# Altium PCB 28Pins_Project_V1I1_Pcb.PcbDoc (part 1 of 2) (continued)
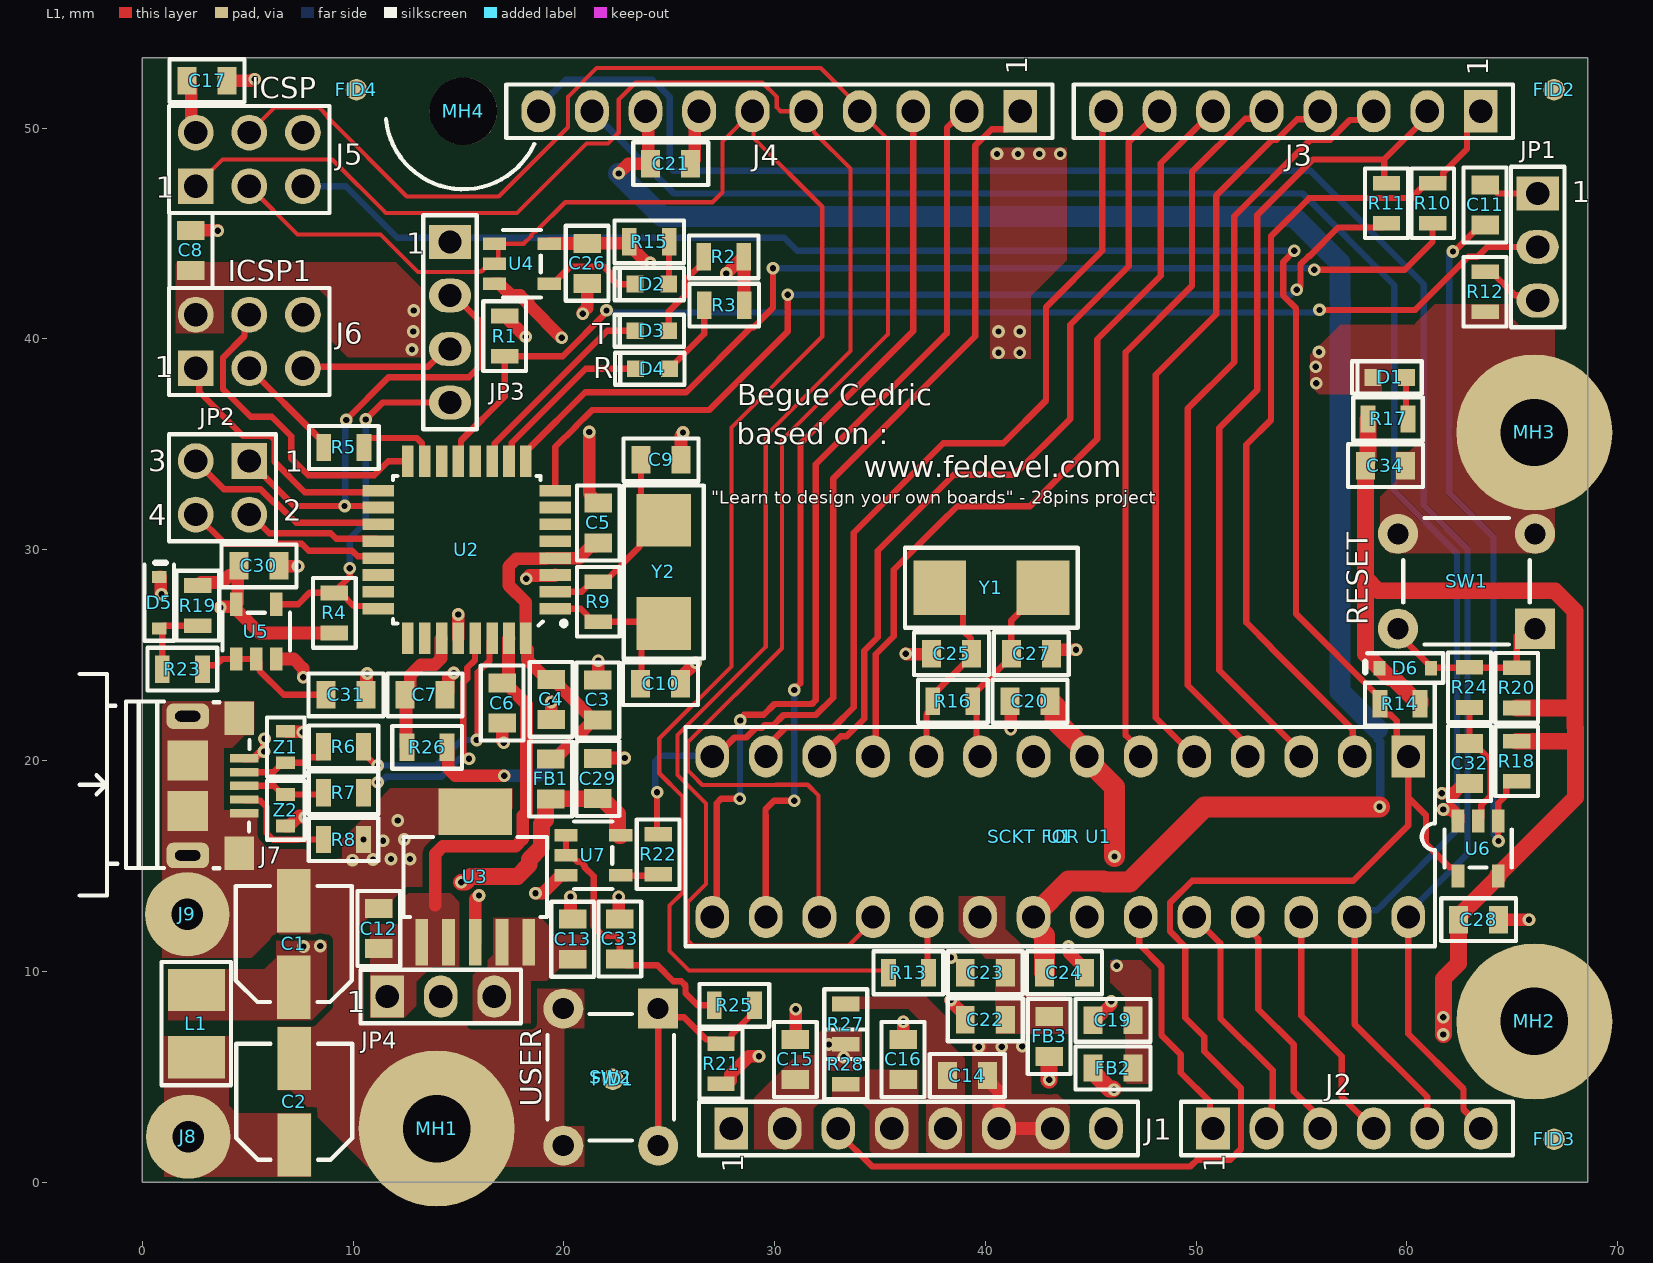
[diagram p0: L1 view]
## Part data (continued)
R5 R6 R7 R13 R23 R24 R25: library part RC0805FR-0722RL, "RES SMD 22 OHM 1% 1/8W 0805", Case Code (Imperial)=0805, Case Code (Metric)=2012, Manufacturer=Yageo, Max Operating Temperature=155°C, Max Power Dissipation=125mW, Min Operating Temperature=-55°C, Package Quantity=1, Supplier Part Number 1=311-22.0CRCT-ND, Temperature Coefficient=100ppm/°C, Tolerance=1%, Voltage Rating=150V, Case/Package=0805, Category="Chip SMD Resistors", ComponentLink1Description=https://datasheet.ciiva.com/11819/0900766b8106beab-11819837.pdf?src-supplier=RSComponents, ComponentLink1URL=https://datasheet.ciiva.com/11819/0900766b8106beab-11819837.pdf?src-supplier=RSComponents, ComponentLink2Description=https://datasheet.ciiva.com/2457/pyu-r-int-thick-7-2457044.pdf?src-supplier=Digi-Key, ComponentLink2URL=https://datasheet.ciiva.com/2457/pyu-r-int-thick-7-2457044.pdf?src-supplier=Digi-Key, ComponentLink3Description=https://datasheet.ciiva.com/46447/444164-46447574.pdf?src-supplier=Element14, ComponentLink3URL=https://datasheet.ciiva.com/46447/444164-46447574.pdf?src-supplier=Element14, ComponentLink4Description=https://datasheet.ciiva.com/2457/pyu-r-int-thick-7-2457045.pdf?src-supplier=Digi-Key, ComponentLink4URL=https://datasheet.ciiva.com/2457/pyu-r-int-thick-7-2457045.pdf?src-supplier=Digi-Key, ComponentLink5Description=https://datasheet.ciiva.com/2457/pyu-r-int-thick-7-2457046.pdf?src-supplier=Digi-Key, ComponentLink5URL=https://datasheet.ciiva.com/2457/pyu-r-int-thick-7-2457046.pdf?src-supplier=Digi-Key, ComponentLink6Description=https://datasheet.ciiva.com/12667/rc0805-12667371.pdf?src-supplier=Mouser, ComponentLink6URL=https://datasheet.ciiva.com/12667/rc0805-12667371.pdf?src-supplier=Mouser, Composition="Thick Film", Depth=1.25mm, Features="Moisture Resistant", Height=0.024inch, Lead Free="Lead Free", Length=0.079inch, Manufacturer Part Number=RC0805FR-0722RL, Military Standard=Not, Number of Terminations=2, Packaging="Tape and Reel", Power Rating=125mW, Pricing 1="1=0,10000, 10=0,04000, 100=0,01630, 1000=0,00731, 2500=0,00635 (USD)", REACH SVHC=Unknown, Resistance=22R, RoHS=Yes, Stock 1=521404, Supplier 1=Digi-Key, Termination=SMD/SMT, Width=0.049inch, Working Voltage=150V
R8 R26 R27 R28: library part RC0805JR-070RL, "Surface Mount Thick Film Resistor, RC Series, 125 mW, - 5%, 150 V, 0805 [2012 Metric]", Case Code (Imperial)=0805, Case Code (Metric)=2012, Manufacturer=Yageo, Max Operating Temperature=155°C, Min Operating Temperature=-55°C, Power Rating=125mW, Resistance=0mR, Supplier Part Number 1=311-0.0ARCT-ND, Temperature Coefficient=200ppm/°C, Tolerance=5%, Voltage Rating=150V, Case/Package=0805, Category="Chip SMD Resistors", ComponentLink1Description=https://datasheet.ciiva.com/7941/1738694-7941861.pdf?src-supplier=Element14, ComponentLink1URL=https://datasheet.ciiva.com/7941/1738694-7941861.pdf?src-supplier=Element14, ComponentLink2Description=https://datasheet.ciiva.com/11819/0900766b8106beab-11819430.pdf?src-supplier=RSComponents, ComponentLink2URL=https://datasheet.ciiva.com/11819/0900766b8106beab-11819430.pdf?src-supplier=RSComponents, ComponentLink3Description=https://datasheet.ciiva.com/7941/1738694-7941862.pdf?src-supplier=Element14, ComponentLink3URL=https://datasheet.ciiva.com/7941/1738694-7941862.pdf?src-supplier=Element14, ComponentLink4Description=https://datasheet.ciiva.com/7941/1738694-7941863.pdf?src-supplier=Element14, ComponentLink4URL=https://datasheet.ciiva.com/7941/1738694-7941863.pdf?src-supplier=Element14, ComponentLink5Description=https://datasheet.ciiva.com/15190/getdatasheetpartid-330685-15190028.pdf?src-supplier=Verical, ComponentLink5URL=https://datasheet.ciiva.com/15190/getdatasheetpartid-330685-15190028.pdf?src-supplier=Verical, Composition="Thick Film", Contact Plating=Tin,Matte, Depth=1.25mm, Height=0.5mm, Lead Free="Lead Free", Length=2mm, Manufacturer Part Number=RC0805JR-070RL, Military Standard=Not, Number of Pins=2, Packaging="Tape and Reel", Pricing 1="1=0,10000, 10=0,03500, 25=0,02480, 50=0,01900, 100=0,01400, 250=0,01072, 500=0,00856, 1000=0,00631 (USD)", Radiation Hardening=No, REACH SVHC=Unknown, RoHS=Yes, Stock 1=7935811, Supplier 1=Digi-Key, Termination=SMD/SMT, Voltage Rating (DC)=150V, Width=1.25mm
R9 R16: library part RC0805FR-071ML, "RES SMD 1M OHM 1% 1/8W 0805", Case Code (Imperial)=0805, Case Code (Metric)=2012, Manufacturer=Yageo, Max Operating Temperature=155°C, Max Power Dissipation=125mW, Min Operating Temperature=-55°C, Package Quantity=1, Resistance=1MR, Supplier Part Number 1=311-1.00MCRCT-ND, Temperature Coefficient=100ppm/°C, Tolerance=1%, Voltage Rating=150V, Case/Package=0805, Category="Chip SMD Resistors", ComponentLink1Description=https://datasheet.ciiva.com/2519/pyu-r-int-thick-7-2519712.pdf?src-supplier=Digi-Key, ComponentLink1URL=https://datasheet.ciiva.com/2519/pyu-r-int-thick-7-2519712.pdf?src-supplier=Digi-Key, ComponentLink2Description=https://datasheet.ciiva.com/12666/rc0805-12666975.pdf?src-supplier=Mouser, ComponentLink2URL=https://datasheet.ciiva.com/12666/rc0805-12666975.pdf?src-supplier=Mouser, ComponentLink3Description=https://datasheet.ciiva.com/2519/pyu-r-int-thick-7-2519713.pdf?src-supplier=Digi-Key, ComponentLink3URL=https://datasheet.ciiva.com/2519/pyu-r-int-thick-7-2519713.pdf?src-supplier=Digi-Key, ComponentLink4Description=https://datasheet.ciiva.com/2519/pyu-r-int-thick-7-2519711.pdf?src-supplier=Digi-Key, ComponentLink4URL=https://datasheet.ciiva.com/2519/pyu-r-int-thick-7-2519711.pdf?src-supplier=Digi-Key, ComponentLink5Description=https://datasheet.ciiva.com/17419/rc0805-17419909.pdf?src-supplier=Future+Electronics, ComponentLink5URL=https://datasheet.ciiva.com/17419/rc0805-17419909.pdf?src-supplier=Future+Electronics, Composition="Thick Film", Depth=1.25mm, Features="Moisture Resistant", Height=0.024inch, Lead Free="Lead Free", Length=0.079inch, Manufacturer Part Number=RC0805FR-071ML, Military Standard=Not, Number of Terminations=2, Packaging="Tape and Reel", Power Rating=125mW, Pricing 1="1=0,100000, 10=0,040000, 100=0,016300, 1000=0,007310, 2500=0,006350 (USD)", REACH SVHC=Unknown, RoHS=Yes, Stock 1=3436793, Supplier 1=Digi-Key, Termination=SMD/SMT, Width=0.049inch
R10 R11 R12: library part RC0805FR-071KL, "RESISTOR, 0805 1K 1%, FULL REEL; Product Range:YAGEO - RC Series; Resistance:1kohm; Power Rating:125mW; Resistance Tolerance:± 1%; Resistor Case Style:0805 [2012 Metric]; Resistor Element Material:Thick Film; Temperature Coefficient:± 250ppm/°C; Voltage Rating:150V; Packaging:Tape & Reel; MSL:-; SVHC:No SVHC (16-Dec-2013); External Depth:0.55mm; External Length / Height:2mm; External Width:1.25mm; No. of Pins:2; Operating Temperature Max:155°C; Operating Temperature Min:-55°C; Operating Temperature Range:-55°C to +155°C; Reel Quantity:5000; Resistor Mounting:SMD; Series:RC12H; Temperature Coef", Case Code (Imperial)=0805, Case Code (Metric)=2012, Manufacturer=Yageo, Max Operating Temperature=155°C, Max Power Dissipation=125mW, Min Operating Temperature=-55°C, Package Quantity=1, Resistance=1kR, Supplier Part Number 1=311-1.00KCRCT-ND, Temperature Coefficient=100ppm/°C, Tolerance=1%, Voltage Rating=150V, Case/Package=0805, Category="Chip SMD Resistors", ComponentLink1Description=https://datasheet.ciiva.com/2456/pyu-r-int-thick-7-2456976.pdf?src-supplier=Digi-Key, ComponentLink1URL=https://datasheet.ciiva.com/2456/pyu-r-int-thick-7-2456976.pdf?src-supplier=Digi-Key, ComponentLink2Description=https://datasheet.ciiva.com/2456/pyu-r-int-thick-7-2456977.pdf?src-supplier=Digi-Key, ComponentLink2URL=https://datasheet.ciiva.com/2456/pyu-r-int-thick-7-2456977.pdf?src-supplier=Digi-Key, ComponentLink3Description=https://datasheet.ciiva.com/7941/1686128-7941719.pdf?src-supplier=Element14, ComponentLink3URL=https://datasheet.ciiva.com/7941/1686128-7941719.pdf?src-supplier=Element14, ComponentLink4Description=https://datasheet.ciiva.com/16850/rc0805-16850409.pdf?src-supplier=Future+Electronics, ComponentLink4URL=https://datasheet.ciiva.com/16850/rc0805-16850409.pdf?src-supplier=Future+Electronics, ComponentLink5Description=https://datasheet.ciiva.com/46385/444164-46385020.pdf?src-supplier=Element14, ComponentLink5URL=https://datasheet.ciiva.com/46385/444164-46385020.pdf?src-supplier=Element14, ComponentLink6Description=https://datasheet.ciiva.com/2456/pyu-r-int-thick-7-2456975.pdf?src-supplier=Digi-Key, ComponentLink6URL=https://datasheet.ciiva.com/2456/pyu-r-int-thick-7-2456975.pdf?src-supplier=Digi-Key, Composition="Thick Film", Depth=1.25mm, Features="Moisture Resistant", Height=0.024inch, Lead Free="Lead Free", Length=0.079inch, Manufacturer Part Number=RC0805FR-071KL, Military Standard=Not, Number of Pins=2, Number of Terminations=2, Packaging="Tape and Reel", Power Rating=125mW, Pricing 1="1=0,10000, 10=0,04000, 100=0,01630, 1000=0,00731, 2500=0,00635 (USD)", REACH SVHC=Unknown, RoHS=Yes, Stock 1=19343009, Supplier 1=Digi-Key, Termination=SMD/SMT, Voltage Rating (DC)=150V, Width=0.049inch
"SCKT FOR U1": library part 4828-3004-CP, "CONN IC DIP SOCKET 28POS TIN", Current Rating=1A, Insulation Resistance=5GR, Manufacturer=3M, Max Operating Temperature=85°C, Min Operating Temperature=-25°C, Package Quantity=5600, Supplier Part Number 1=3M5480-ND, Category=Connectors, ComponentLink1Description=https://datasheet.ciiva.com/768/ts1099-768354.pdf?src-supplier=Digi-Key, ComponentLink1URL=https://datasheet.ciiva.com/768/ts1099-768354.pdf?src-supplier=Digi-Key, Connector Type=DIP,Socket, Contact Material=Bronze, Contact Plating=Tin, Depth=5.08mm, Gender=Female, Housing Material=Glass, Lead Free="Lead Free", Length=35.43mm, Manufacturer Part Number=4828-3004-CP, Mount="Through Hole", Number of Contacts=28, Number of Positions=28, Number of Rows=2, Orientation=Straight, Pitch=2.54mm, Pricing 1="1=0,79000, 10=0,69300, 25=0,65240, 50=0,62540, 100=0,59820, 250=0,54380, 500=0,48942, 1000=0,43504, 2500=0,39426 (USD)", REACH SVHC=Unknown, RoHS=Yes, Row Spacing=7.62mm, Stock 1=4647, Supplier 1=Digi-Key, Termination=Solder, Width=10.16mm
SW1 SW2: "SWITCH TACTILE SPST-NO 0.05A 24V", Contact Current Rating=50mA, Contact Resistance=100mR, Manufacturer="TE Connectivity Alcoswitch", Max Operating Temperature=85°C, Max Voltage Rating (DC)=24V, Min Operating Temperature=-35°C, Operating Force=160gf, Package Quantity=750, Supplier Part Number 1=450-1650-ND, Actuator Length=0.055inch, Actuator Material=PBT, Actuator Type=Standard, Category="Pushbutton Switches", ComponentLink1Description=https://datasheet.ciiva.com/30199/1825910-6rqpn1825910-6-30199520.pdf?src-supplier=Onlinecomponents.com, ComponentLink1URL=https://datasheet.ciiva.com/30199/1825910-6rqpn1825910-6-30199520.pdf?src-supplier=Onlinecomponents.com, ComponentLink2Description=https://datasheet.ciiva.com/15184/getdatasheetpartid-395915-15184509.pdf?src-supplier=Verical, ComponentLink2URL=https://datasheet.ciiva.com/15184/getdatasheetpartid-395915-15184509.pdf?src-supplier=Verical, Contact Material="Copper Alloy", Contact Plating=Silver, Electrical Life=100000Cycles, ELV=Compliant, Illumination Type=Non-Illuminated,Illuminated, Lead Free="Lead Free", Length=5.99mm, Manufacturer Part Number=1825910-6, Max Current Rating=50mA, Mechanical Life=100000Cycles, Mount="Through Hole", Orientation=Straight, Packaging="Loose Piece", Pricing 1="1=0,10000, 10=0,10100, 25=0,09560, 100=0,08700, 250=0,08180, 500=0,07484, 1000=0,06265, 2500=0,06092, 5000=0,05743 (USD)", REACH SVHC=Unknown, RoHS=Yes, Stock 1=17536, Supplier 1=Digi-Key, Switch Function=Off-Mom, Switch Travel=0.25mm, Termination="PC Pins", Throw Configuration=SPST, Type=Switch
U1: "ATMEGA328P-PU; 8 bit Microcontroller AVR 20MHz 1; 32kb Flash; 2kb RAM; I2C SPI 2", Manufacturer=Microchip, Supplier Part Number 1=ATMEGA328P-PU-ND, Manufacturer Part Number=ATMEGA328P-PU, Pricing 1="1=3.79 (EUR)", Supplier 1=Digi-Key
U2: library part ATMEGA16U2-AU-ND, "ATmega Series 16 KB Flash 512 B RAM 16 MHz 8-Bit Microcontroller - TQFP-32", Case/Package=TQFP, Frequency=16MHz, Manufacturer=Microchip, Max Operating Temperature=85°C, Min Operating Temperature=-40°C, Category=Microcontrollers, ComponentLink1Description=http://www.farnell.com/datasheets/1795896.pdf?src-supplier=Farnell, ComponentLink1URL=http://www.farnell.com/datasheets/1795896.pdf?src-supplier=Farnell, ComponentLink2Description=http://www.microchip.com/mymicrochip/filehandler.aspx?ddocname=en590463&src-supplier=Verical, ComponentLink2URL=http://www.microchip.com/mymicrochip/filehandler.aspx?ddocname=en590463&src-supplier=Verical, ComponentLink3Description=http://www.microchip.com/mymicrochip/filehandler.aspx?ddocname=en590463&src-supplier=Digi-Key, ComponentLink3URL=http://www.microchip.com/mymicrochip/filehandler.aspx?ddocname=en590463&src-supplier=Digi-Key, ComponentLink4Description=http://www.microchip.com/mymicrochip/filehandler.aspx?ddocname=en590463&src-supplier=Avnet, ComponentLink4URL=http://www.microchip.com/mymicrochip/filehandler.aspx?ddocname=en590463&src-supplier=Avnet, ComponentLink5Description=http://www.farnell.com/datasheets/1795896.pdf?src-supplier=Element14, ComponentLink5URL=http://www.farnell.com/datasheets/1795896.pdf?src-supplier=Element14, ComponentLink6Description=http://www.microchip.com/mymicrochip/filehandler.aspx?ddocname=en590463&src-supplier=Onlinecomponents.com, ComponentLink6URL=http://www.microchip.com/mymicrochip/filehandler.aspx?ddocname=en590463&src-supplier=Onlinecomponents.com, ComponentLink7Description=http://www.microchip.com/mymicrochip/filehandler.aspx?ddocname=en590463&src-supplier=RSComponents, ComponentLink7URL=http://www.microchip.com/mymicrochip/filehandler.aspx?ddocname=en590463&src-supplier=RSComponents, ComponentLink8Description=http://www.microchip.com/mymicrochip/filehandler.aspx?ddocname=en590463&src-supplier=Avnet+Europe, ComponentLink8URL=http://www.microchip.com/mymicrochip/filehandler.aspx?ddocname=en590463&src-supplier=Avnet+Europe, ComponentLink9Description=http://www.microchip.com/mymicrochip/filehandler.aspx?ddocname=en590463&src-supplier=Mouser, ComponentLink9URL=http://www.microchip.com/mymicrochip/filehandler.aspx?ddocname=en590463&src-supplier=Mouser, ComponentLink10Description=http://www.microchip.com/mymicrochip/filehandler.aspx?ddocname=en590463&src-supplier=Avnet+Asia, ComponentLink10URL=http://www.microchip.com/mymicrochip/filehandler.aspx?ddocname=en590463&src-supplier=Avnet+Asia, ComponentLink11Description=http://www.microchip.com/mymicrochip/filehandler.aspx?ddocname=en590463&src-supplier=Arrow, ComponentLink11URL=http://www.microchip.com/mymicrochip/filehandler.aspx?ddocname=en590463&src-supplier=Arrow, ComponentLink12Description=http://www.microchip.com/mymicrochip/filehandler.aspx?ddocname=en590463&src-supplier=microchipDIRECT, ComponentLink12URL=http://www.microchip.com/mymicrochip/filehandler.aspx?ddocname=en590463&src-supplier=microchipDIRECT, ComponentLink13Description=http://www.microchip.com/mymicrochip/filehandler.aspx?ddocname=en590463&src-supplier=Electro+Sonic, ComponentLink13URL=http://www.microchip.com/mymicrochip/filehandler.aspx?ddocname=en590463&src-supplier=Electro+Sonic, ComponentLink14Description=http://www.microchip.com/mymicrochip/filehandler.aspx?ddocname=en590463&src-supplier=TME, ComponentLink14URL=http://www.microchip.com/mymicrochip/filehandler.aspx?ddocname=en590463&src-supplier=TME, Core Architecture=AVR, Interface=SPI,USB,UART,USART, Manufacturer Part Number=ATMEGA16U2-AU, Memory Size=16KB, Memory Type=FLASH, Number of I/Os=22, Number of Pins=32, Oscillator Type=Internal, Packaging=Tray, Peripherals="Brown-out Detect/Reset,POR,PWM,WDT", Pricing 1="1=2,45000, 25=2,25000, 100=2,04000 (USD)", RoHS=No, Stock 1=3459, Supplier 1=Digi-Key, Supplier Part Number 1=ATMEGA16U2-AU-ND
U3: "IC REG LINEAR 3.3V 1.5A SOT223-6", Case/Package=SOT-223, Dropout Voltage=340mV, Input Bias Current=1mA, Manufacturer="Texas Instruments", Max Input Voltage=20V, Max Operating Temperature=125°C, Max Output Current=1.5A, Max Output Voltage=3.3V, Min Current Limit=1.6A, Min Input Voltage=2.1V, Min Operating Temperature=-40°C, Package Quantity=1, Supplier Part Number 1=296-24534-1-ND, Accuracy=3%, Category="Voltage Regulators - Linear", ComponentLink1Description=https://datasheet.ciiva.com/2046/tl1963a-2046161.pdf?src-supplier=Digi-Key, ComponentLink1URL=https://datasheet.ciiva.com/2046/tl1963a-2046161.pdf?src-supplier=Digi-Key, ComponentLink2Description=https://datasheet.ciiva.com/2046/tl1963a-2046162.pdf?src-supplier=Digi-Key, ComponentLink2URL=https://datasheet.ciiva.com/2046/tl1963a-2046162.pdf?src-supplier=Digi-Key, ComponentLink3Description=https://datasheet.ciiva.com/2046/tl1963a-2046163.pdf?src-supplier=Digi-Key, ComponentLink3URL=https://datasheet.ciiva.com/2046/tl1963a-2046163.pdf?src-supplier=Digi-Key, ComponentLink4Description=https://datasheet.ciiva.com/26176/tl1963a-25-26176569.pdf?src-supplier=Avnet+Europe, ComponentLink4URL=https://datasheet.ciiva.com/26176/tl1963a-25-26176569.pdf?src-supplier=Avnet+Europe, Contact Plating=Gold, Lead Free="Lead Free", Manufacturer Part Number=TL1963A-33DCQR, Min Output Voltage=3.3V, Number of Outputs=1, Number of Pins=6, Number of Regulators=1, Output Current=1.5A, Output Type=Fixed, Output Voltage=3.3V, Packaging="Tape and Reel", Polarity=Positive, Pricing 1="1=2,80000, 10=2,51300, 25=2,37600, 100=1,95360, 250=1,75296, 500=1,68960, 1000=1,40448 (USD)", Quiescent Current=1mA, Radiation Hardening=No, RoHS=Yes, Stock 1=3365, Supplier 1=Digi-Key
U4 U5 U6 U7: "TEXAS INSTRUMENTS - SN74AHC1G09DBVR - AND Gate, 74AHC1G09, 2 Input, 2 V to 5.5 V, SOT-23-5", Case/Package=SOT-23, Low Level Output Current=8mA, Manufacturer="Texas Instruments", Max Operating Temperature=125°C, Max Supply Voltage=5.5V, Min Operating Temperature=-55°C, Min Supply Voltage=2V, Output Current=25mA, Package Quantity=3000, Quiescent Current=1uA, Supplier Part Number 1=296-29202-1-ND, Category="Logic Gates", ComponentLink1Description=https://datasheet.ciiva.com/1864/sn74ahc1g09-1864410.pdf?src-supplier=Digi-Key, ComponentLink1URL=https://datasheet.ciiva.com/1864/sn74ahc1g09-1864410.pdf?src-supplier=Digi-Key, ComponentLink2Description=https://datasheet.ciiva.com/1864/sn74ahc1g09-1864411.pdf?src-supplier=Digi-Key, ComponentLink2URL=https://datasheet.ciiva.com/1864/sn74ahc1g09-1864411.pdf?src-supplier=Digi-Key, ComponentLink3Description=https://datasheet.ciiva.com/1864/sn74ahc1g09-1864412.pdf?src-supplier=Digi-Key, ComponentLink3URL=https://datasheet.ciiva.com/1864/sn74ahc1g09-1864412.pdf?src-supplier=Digi-Key, Contact Plating=Tin,Matte, Lead Free="Lead Free", Logic Function=AND, Manufacturer Part Number=SN74AHC1G09DBVR, Mount="Surface Mount", Number of Bits=1, Number of Circuits=1, Number of Elements=1, Number of Gates=1, Number of Inputs=2, Number of Outputs=1, Number of Pins=5, Output Voltage=5.5V, Packaging="Tape and Reel", Pricing 1="1=0,32000, 10=0,24000, 25=0,21000, 100=0,13590, 250=0,11252, 500=0,09000, 1000=0,06900 (USD)", Propagation Delay=7.5ns, Radiation Hardening=No, REACH SVHC="No SVHC", RoHS=Yes, Stock 1=27549, Supplier 1=Digi-Key
Y1 Y2: "CRYSTAL 16.0000MHZ 18PF SMD", Case/Package=CSMD, ESR (Equivalent Series Resistance)=50R, Frequency=16MHz, Frequency Stability=30ppm, Frequency Tolerance=20ppm, Load Capacitance=18pF, Manufacturer=Abracon, Max Operating Temperature=85°C, Min Operating Temperature=-40°C, Package Quantity=1000, Supplier Part Number 1=535-9840-1-ND, Category=Crystals, ComponentLink1Description=https://datasheet.ciiva.com/15116/getdatasheetpartid-721624-15116835.pdf?src-supplier=Verical, ComponentLink1URL=https://datasheet.ciiva.com/15116/getdatasheetpartid-721624-15116835.pdf?src-supplier=Verical, ComponentLink2Description=https://datasheet.ciiva.com/22658/947971-22658293.pdf?src-supplier=Element14, ComponentLink2URL=https://datasheet.ciiva.com/22658/947971-22658293.pdf?src-supplier=Element14, ComponentLink3Description=https://datasheet.ciiva.com/5788/abm7-5788054.pdf?src-supplier=Farnell, ComponentLink3URL=https://datasheet.ciiva.com/5788/abm7-5788054.pdf?src-supplier=Farnell, ComponentLink4Description=https://datasheet.ciiva.com/7998/947971-7998600.pdf?src-supplier=Element14, ComponentLink4URL=https://datasheet.ciiva.com/7998/947971-7998600.pdf?src-supplier=Element14, ComponentLink5Description=https://datasheet.ciiva.com/46385/947971-46385243.pdf?src-supplier=Element14, ComponentLink5URL=https://datasheet.ciiva.com/46385/947971-46385243.pdf?src-supplier=Element14, ComponentLink6Description=https://datasheet.ciiva.com/16383/abm7-16383174.pdf?src-supplier=Future+Electronics, ComponentLink6URL=https://datasheet.ciiva.com/16383/abm7-16383174.pdf?src-supplier=Future+Electronics, ComponentLink7Description=https://datasheet.ciiva.com/18649/abm7-18649865.pdf?src-supplier=Digi-Key, ComponentLink7URL=https://datasheet.ciiva.com/18649/abm7-18649865.pdf?src-supplier=Digi-Key, ComponentLink8Description=https://datasheet.ciiva.com/18649/abm7-18649866.pdf?src-supplier=Digi-Key, ComponentLink8URL=https://datasheet.ciiva.com/18649/abm7-18649866.pdf?src-supplier=Digi-Key, ComponentLink9Description=https://datasheet.ciiva.com/18649/abm7-18649867.pdf?src-supplier=Digi-Key, ComponentLink9URL=https://datasheet.ciiva.com/18649/abm7-18649867.pdf?src-supplier=Digi-Key, ComponentLink10Description=https://datasheet.ciiva.com/26941/getdatasheetpartid-719818-26941724.pdf?src-supplier=Verical, ComponentLink10URL=https://datasheet.ciiva.com/26941/getdatasheetpartid-719818-26941724.pdf?src-supplier=Verical, Composition=Ceramic, Depth=3.5mm, Height=0.055inch, Lead Free="Lead Free", Length=6mm, Manufacturer Part Number=ABM7-16.000MHZ-D2Y-T, Mount="Surface Mount", Number of Pins=2, Packaging="Tape and Reel", Pricing 1="1=1,00000, 10=0,88600, 50=0,82780, 100=0,73150, 500=0,69300 (USD)", Radiation Hardening=No, REACH SVHC=Unknown, RoHS=Yes, Stock 1=65875, Supplier 1=Digi-Key, Termination=SMD/SMT, Tolerance=20ppm, Width=3.3mm
Z1 Z2: "VARISTOR 0603", Capacitance=0.5pF, Case Code (Imperial)=0603, Case Code (Metric)=1608, Clamping Voltage=20V, Current Rating=50nA, Manufacturer=Bourns, Max Operating Temperature=85°C, Max Voltage Rating (DC)=5V, Min Operating Temperature=-40°C, Package Quantity=1, Supplier Part Number 1=CG0603MLC-05ECT-ND, Voltage Rating (AC)=8V, Case/Package=0603, Category=Varistors, ComponentLink1Description=https://datasheet.ciiva.com/27747/1163231-27747629.pdf?src-supplier=Jameco, ComponentLink1URL=https://datasheet.ciiva.com/27747/1163231-27747629.pdf?src-supplier=Jameco, ComponentLink2Description=https://datasheet.ciiva.com/30070/mlc-30070503.pdf?src-supplier=Onlinecomponents.com, ComponentLink2URL=https://datasheet.ciiva.com/30070/mlc-30070503.pdf?src-supplier=Onlinecomponents.com, ComponentLink3Description=https://datasheet.ciiva.com/6991/mlc-6991832.pdf?src-supplier=Digi-Key, ComponentLink3URL=https://datasheet.ciiva.com/6991/mlc-6991832.pdf?src-supplier=Digi-Key, ComponentLink4Description=https://datasheet.ciiva.com/6991/mlc-6991834.pdf?src-supplier=Digi-Key, ComponentLink4URL=https://datasheet.ciiva.com/6991/mlc-6991834.pdf?src-supplier=Digi-Key, ComponentLink5Description=https://datasheet.ciiva.com/6991/mlc-6991836.pdf?src-supplier=Digi-Key, ComponentLink5URL=https://datasheet.ciiva.com/6991/mlc-6991836.pdf?src-supplier=Digi-Key, ComponentLink6Description=https://datasheet.ciiva.com/1278/1785244-1278701.pdf?src-supplier=Element14, ComponentLink6URL=https://datasheet.ciiva.com/1278/1785244-1278701.pdf?src-supplier=Element14, ComponentLink7Description=https://datasheet.ciiva.com/22696/1785244-22696318.pdf?src-supplier=Element14, ComponentLink7URL=https://datasheet.ciiva.com/22696/1785244-22696318.pdf?src-supplier=Element14, ComponentLink8Description=https://datasheet.ciiva.com/25958/mlc-25958222.pdf?src-supplier=Avnet+Europe, ComponentLink8URL=https://datasheet.ciiva.com/25958/mlc-25958222.pdf?src-supplier=Avnet+Europe, ComponentLink9Description=https://datasheet.ciiva.com/8084/mlc-8084047.pdf?src-supplier=Avnet, ComponentLink9URL=https://datasheet.ciiva.com/8084/mlc-8084047.pdf?src-supplier=Avnet, Contact Plating=Tin, Depth=0.8mm, Element Configuration=Single, Leakage Current=50nA, Length=1.6mm, Manufacturer Part Number=CG0603MLC-05E, Number of Channels=1, Number of Circuits=1, Number of Pins=2, Operating Supply Voltage=5V, Packaging="Tape and Reel", Pricing 1="1=0,51000, 10=0,35900, 25=0,29440, 100=0,23570, 250=0,17140, 500=0,13926, 1000=0,10712, 2500=0,09641 (USD)", Radiation Hardening=No, REACH SVHC="No SVHC", RoHS=Yes, Stock 1=10132, Supplier 1=Digi-Key, Termination=SMD/SMT, Thickness=0.8mm, Turn-On Delay Time=1ns, Voltage=5V, Voltage Rating (DC)=5V, Width=0.8mm, Working Voltage=5V

## Via types
v1: diameter 0.6, hole 0.3, L1 to L2, 85 vias
v2: diameter 0.6, hole 0.3, L1 to L2, tented both sides, 20 vias

## Nets (pads, with @x,y where several pads share a name; then routed paths per layer and width w, separated by ;. In a path a pad name is that pad's centre, name@x,y a point inside that pad or via, vN(x,y) a via of type N, cw(c..) or ccw(c..) an arc to the next point about the centre after c; other vN are vias at no path point)
16U2_16MHZ_XTAL1: C10.1 R9.1 U2.1 Y2.1 | length 8.7
  L1 w0.3: U2.1@19.6,27.2 20.8,27.2 21.141,26.859 21.141,26.784 21.341,26.584 R9.1@21.641,26.584 24.65,26.584 23.688,25.621 C10.1@23.688,23.622
16U2_16MHZ_XTAL2: C9.1 R9.2 U2.2 Y2.2 | length 9.9
  L1 w0.3: U2.2@19.6,28 20.857,28 21.341,28.484 R9.2@21.641,28.484 21.941,28.484 23.59,30.132 23.59,30.294 24.69,31.394 23.663,32.421 C9.1@23.663,34.265
16U2_BUF_RESETn: C31.2 R23.2 U5.1 U5.2 | length 7
  L1 w0.3: R23.2@2.855,24.333 3.032,24.51 3.479,24.51 3.785,24.816 4.456,24.816 U5.1@4.46,24.811 U5.2@5.41,24.811 5.56,24.661 5.56,24.266 6.712,23.114 C31.2@8.712,23.114
16U2_HDR_RESETn: J6.5 JP3.3 | length 7.4
  L1 w0.3: J6.5@7.62,38.608 7.687,38.675 13.555,38.675 14.4,39.52 JP3.3@14.6,39.52
16U2_MISO: J6.1 U2.17 | length 12.3
  L1 w0.3: J6.1@2.54,38.608 2.699,38.449 2.699,37.484 4.777,35.406 6.075,35.406 6.28,35.201 6.28,34.162 7.717,32.725 11.125,32.725 U2.17@11.2,32.8
16U2_MOSI: J6.4 U2.16 | length 15.4
  L1 w0.3: J6.4@5.08,41.148 4.854,40.922 4.854,40.135 3.835,39.116 3.835,37.615 5.15,36.3 6.15,36.3 7.075,35.375 7.075,34.325 7.872,33.528 11.007,33.528 11.679,34.2 U2.16@12.6,34.2
16U2_PB4: JP2.1 JP3.2 U2.18 | length 22.6
  L1 w0.3: JP2.1@5.08,34.206 7.211,32.075 v2(9.6,32.075) 11.125,32.075 U2.18@11.2,32 ; v1(9.675,36.15) 9.675,36.169 11.681,38.175 15.499,38.175 15.95,38.626 15.95,40.91 14.8,42.06 JP3.2@14.6,42.06
  L2 w0.3: v2(9.6,32.075) 9.638,32.113 9.638,36.113 v1(9.675,36.15)
16U2_PB5: JP2.3 U2.19 | length 9.9
  L1 w0.3: JP2.3@2.54,34.206 3.88,32.866 5.61,32.866 6.259,32.218 6.361,32.218 7.304,31.275 11.125,31.275 U2.19@11.2,31.2
16U2_PB6: JP2.2 U2.20 | length 6.6
  L1 w0.3: JP2.2@5.08,31.666 5.136,31.666 6.027,30.775 8.95,30.775 9.2,30.525 11.075,30.525 U2.20@11.2,30.4
16U2_PB7: JP2.4 U2.21 | length 9.5
  L1 w0.3: JP2.4@2.54,31.666 3.931,30.275 7.575,30.275 7.9,29.95 9.953,29.95 10.221,29.682 11.118,29.682 U2.21@11.2,29.6
16U2_RESETn: JP3.4 R4.1 U2.24 U5.4 | length 18.6
  L1 w0.3: U5.4@6.36,27.411 7.395,27.411 7.934,27.95 R4.1@9.119,27.95 ; v1(9.85,29.125) 9.85,28.719 9.1,27.969 R4.1@9.119,27.95 ; v1(10.6,36.175) 11.405,36.98 JP3.4@14.6,36.98 ; U2.24@11.2,27.2 11.075,27.325 10.044,27.325 9.419,27.95 R4.1@9.119,27.95
  L2 w0.3: v1(9.85,29.125) 9.85,30.55 10.6,31.3 v1(10.6,36.175)
16U2_RXD: R11.1 U2.8 | length 47.5
  L1 w0.3: U2.8@19.6,32.8 19.6,34.875 20.559,35.834 20.559,35.855 20.94,36.235 20.96,36.235 21.35,36.625 26.9,36.625 30.625,40.35 v1(30.625,42.1) ; v1(54.775,42.325) 54.95,42.5 54.95,43.544 55.331,43.925 55.375,43.925 56.738,45.288 58.837,45.288 R11.1@59.03,45.481
  L2 w0.3: v1(30.625,42.1) 54.5,42.1 54.725,42.325 v1(54.775,42.325)
16U2_SCLK: J6.3 R5.2 | length 5.3
  L1 w0.3: J6.3@5.08,38.608 8.339,35.349 8.416,35.349 8.616,35.149 R5.2@8.616,34.849
16U2_SCLK_R: R5.1 U2.15 | length 4.1
  L1 w0.3: R5.1@10.516,34.849 10.516,35.1 10.716,35.3 13.02,35.3 13.275,35.045 13.275,34.325 U2.15@13.4,34.2
16U2_TXD: R10.1 U2.9 | length 49.6
  L1 w0.3: U2.9@18.2,34.2 18.2,34.675 18.325,34.8 18.35,34.8 21.025,37.475 25.8,37.475 28.881,40.556 29.005,40.556 29.925,41.475 v1(29.925,43.35) ; v1(55.6,43.275) 59.887,43.275 61.214,44.602 R10.1@61.214,45.481
  L2 w0.3: v1(29.925,43.35) 55.525,43.35 v1(55.6,43.275)
16U2PROG_328P_RESETn: JP1.2 R1.1 U2.13 | length 57.2
  L1 w0.3: U2.13@15,34.2 15.125,34.325 15.125,35.179 17.196,37.25 R1.1@17.196,39.182 19.951,39.182 22.022,41.253 v1(22.022,41.351) ; v1(55.85,41.375) 60.393,41.375 62.908,43.89 63.347,43.89 63.816,44.36 JP1.2@66.2,44.36
  L2 w0.3: v1(22.022,41.351) 22.079,41.294 22.291,41.294 22.335,41.25 55.644,41.25 55.769,41.375 v1(55.85,41.375)
16U2RX_LED: D4.1 U2.10 | length 8.3
  L1 w0.3: U2.10@17.4,34.2 17.525,34.325 17.525,35.072 21.035,38.583 D4.1@23.406,38.583
16U2TX_LED: D3.1 U2.11 | length 9.8
  L1 w0.3: U2.11@16.6,34.2 16.725,34.325 16.725,35.045 22.066,40.386 D3.1@23.381,40.386
328P_16MHZ_XTAL1: C27.1 R16.1 U1.9 Y1.1 | length 9.6
  L1 w0.3: U1.9@39.745,20.193 39.575,20.363 39.575,22.64 R16.1@39.406,22.809 39.406,23.109 40.866,24.57 40.929,24.57 41.229,24.87 C27.1@41.229,25.07 41.229,26.639 42.734,28.144 Y1.1@42.734,28.194
328P_16MHZ_XTAL2: C25.1 R16.2 U1.10 Y1.2 | length 9.5
  L1 w0.3: U1.10@37.205,20.193 37.205,22.209 37.506,22.509 R16.2@37.506,22.809 37.506,23.109 39.307,24.91 39.307,25.791 38.934,26.163 38.934,27.094 Y1.2@37.834,28.194
328P_AUTORESETn: C11.2 R18.1 U6.1 | length 34.4
  L1 w0.3: v1(62.179,44.145) 62.243,44.145 63.503,45.405 C11.2@63.703,45.405 ; v1(64.338,16.18) 64.318,16.2 64.318,17.119 U6.1@64.323,17.124 64.323,17.967 64.702,18.346 64.702,18.814 64.902,19.014 R18.1@65.202,19.014
  L2 w0.3: v1(62.179,44.145) 62,43.966 62,35.844 ccw(c66.04,35.56) 62,35.276 62,32.7 64.1,30.6 64.1,16.499 64.338,16.261 v1(64.338,16.18)
328P_BUF_RESETn: C32.2 R24.2 U6.2 | length 6.2
  L1 w0.3: R24.2@62.967,22.52 C32.2@62.967,20.813 63.167,20.813 63.967,20.013 63.967,18.318 63.523,17.874 63.523,17.274 U6.2@63.373,17.124
328P_RESETn: J1.3 J5.5 JP3.1 R14.1 U1.1 U6.4 | length 129.5
  L1 w0.3: J1.3@33.02,2.54 33.02,2.34 34.623,0.737 49.722,0.737 50.051,1.066 51.621,1.066 52.125,1.57 52.125,4.45 50.375,6.2 50.375,6.9 49.475,7.8 49.475,11.17 48.755,11.89 48.755,13.249 49.806,14.3 57.45,14.3 60.065,16.915 60.065,18.244 U1.1@60.065,20.193 59.508,20.75 59.508,21.889 59.215,22.182 58.915,22.182 R14.1@58.587,22.51 ; v1@54.65,44.174 54.125,43.649 54.125,42.056 54.736,41.445 54.736,26.961 58.715,22.982 R14.1@58.715,22.682 ; 60.056,18.256 60.056,18.244 60.9,17.4 60.9,16.047 62.023,14.924 62.273,14.924 62.423,14.774 U6.4@62.423,14.524
  L2 w0.3: J5.5@7.62,47.244 9.652,47.244 12.103,44.793 14.407,44.793 JP3.1@14.6,44.6 14.8,44.8 30.45,44.8 31.075,44.175 v1(54.65,44.175)
+3V3: C13.1 C16.2 J1.4 JP4.3 R28.2 U3.4 U3.5
+3V3_16U2_UCAP: C7.2 R26.1 U2.27 | length 6.3
  L1 w0.6: R26.1@12.563,20.625 12.512,20.676 12.512,23.063 C7.2@12.461,23.114 12.711,23.364 12.711,24.039 13.222,24.55 13.882,24.55 14.175,24.843 14.175,25.775 U2.27@14.2,25.8
+5/3V3_16U2: C3.1 C4.2 C5.2 FB1.2 R26.2 U2.4 U2.32 | length 24.6
  L1 w0.6: R26.2@14.463,20.625 14.513,20.575 14.513,19.626 14.864,19.275 v1(17.175,19.275) ; FB1.2@19.38,20.076 19.58,20.076 20.498,20.994 v1(20.498,21.006) 20.498,21.008 21.415,21.925 19.805,23.536 19.805,23.575 19.555,23.825 19.355,23.825 C4.2@19.355,23.85 ; C4.2@19.4,23.85 C4.2@19.355,23.85 ; C5.2@21.641,30.317 21.491,30.167 21.291,30.167 20.723,29.6 19.175,29.6 19.15,29.575 18.939,29.575 17.756,29.575 17.38,29.199 17.38,28.312 18.2,27.492 U2.32@18.2,25.8 18.2,25.325 18.275,25.25 18.275,24.775 19.2,23.85 C4.2@19.355,23.85
  L2 w0.6: v1(17.175,19.275) 18.767,19.275 v1(20.498,21.006)
+5/3V3_328P_AVCC: C22.1 C23.2 FB3.2 U1.20
+5/3V3_328P_VCC: C19.1 C20.2 FB2.2 U1.7 | length 8.8
  L1 w1: C20.2@43.063,22.809 43.313,22.559 43.313,21.905 44.825,20.393 U1.7@44.825,20.193 44.825,20.047 46.126,18.745 v1(46.126,15.443)
  L2 w0.4: v1@46.126,10.417 46.228,10.316 v1(46.228,10.262)
+5V: C2.1 C6.2 C12.2 C14.2 J1.5 J8.1 JP4.1 L1.2 R27.1 U2.31 U3.1 U3.2 | length 16.9
  L1 w0.6: 13.9,13.125 13.9,15.574 14.251,15.925 17.707,15.925 18.05,16.268 18.05,17.371 18.23,17.552 18.23,22.67 17.375,23.525 17.375,23.625 17.325,23.675 17.375,23.725 17.375,25.775 U2.31@17.4,25.8